# Altium PCB STM32-ROMI_Rev_A-Reworks.PcbDoc (part 1 of 2) (continued)
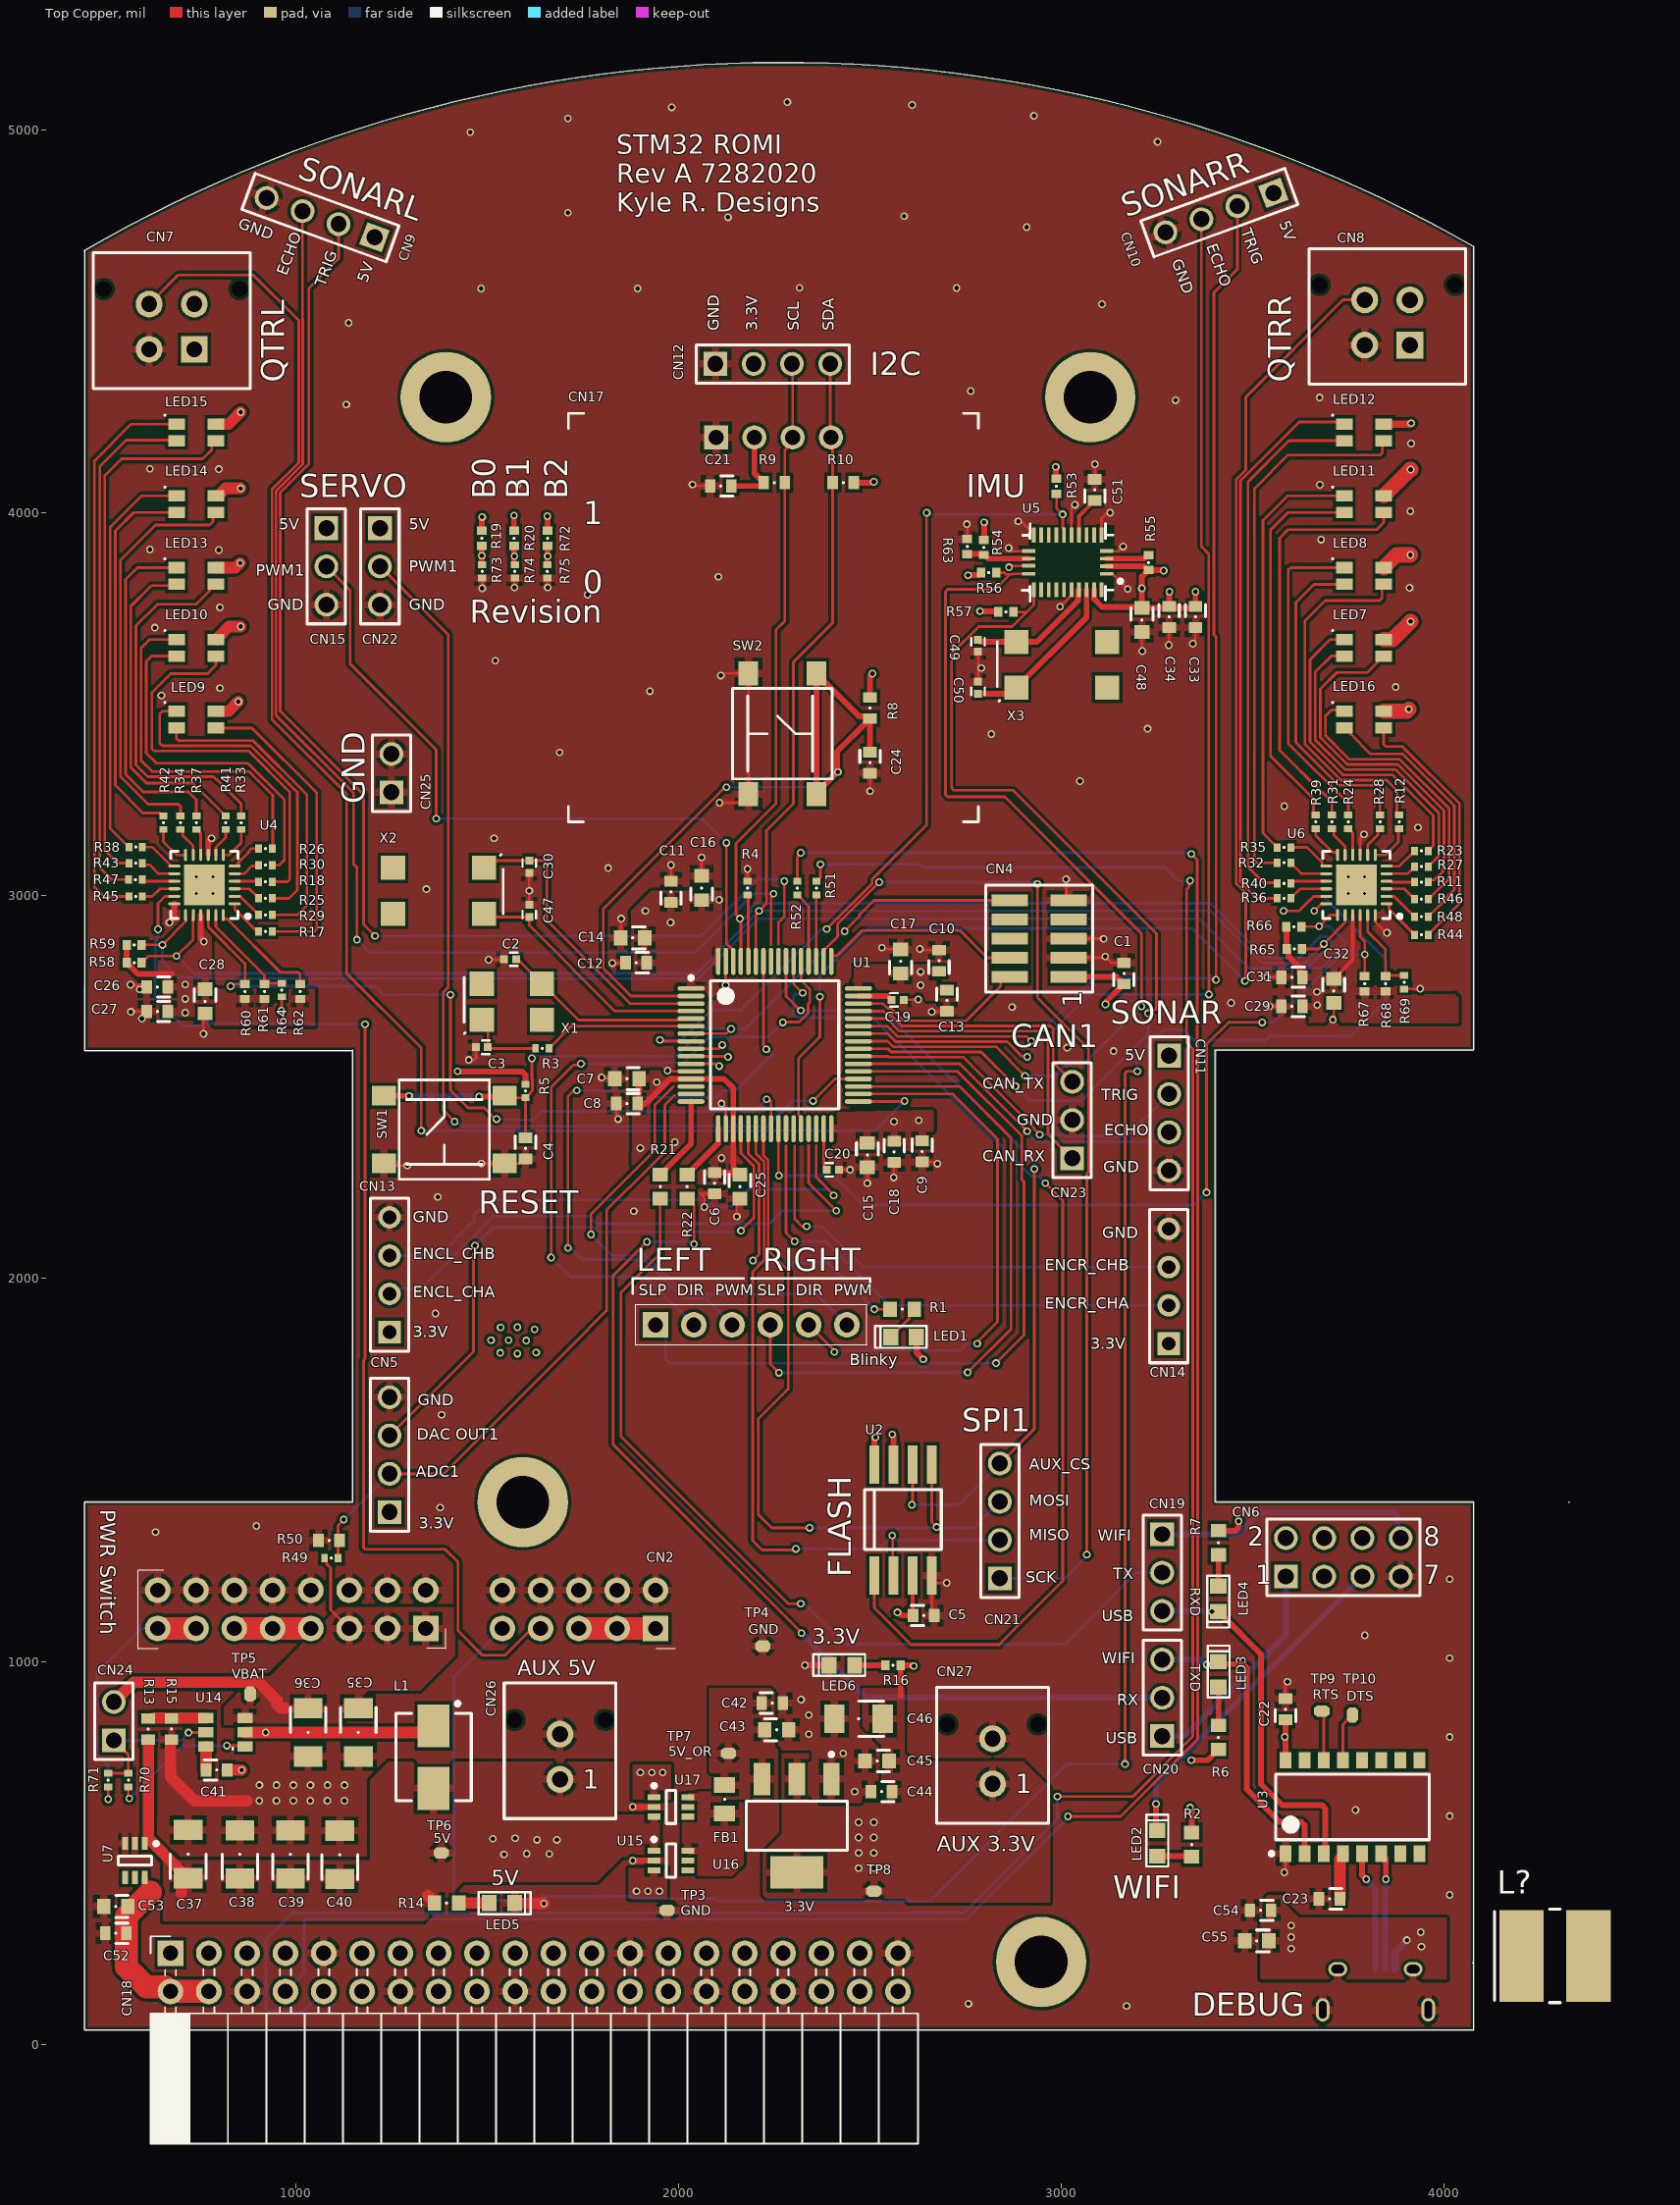
[diagram p0: Top Copper view]
## Footprints (in the part's own frame and the unit in brackets; to place one, negate y for a bottom-side part, rotate by r counter-clockwise, add the part's x,y. Pads: shape width x height; smd on the part's side, far side on the other; paste and mask are expansions set on the pad) (continued)
OSCABS [mm] "SM 5.0x3.2mm  Oscillator"
  rect 1.6x1.6 smd: 1(0,0) 2(6.032,0) 3(6.032,3.035) 4(0,3.035)
  silkscreen extent -1.27,-0.9 -1.1,3.05, body extent -0.95,-0.38 7.05,3.62, height 1.25
PinHeader_1x06_P2.54mm_Vertical [mm] "header for the romi board"
  rect 1.7x1.7 hole 1 paste-1.7 mask+0.051: 1(0,0)
  rrect100% 1.7x1.7 hole 1 paste-1.7 mask+0.051: 2(0,2.54) 3(0,5.08) 4(0,7.62) 5(0,10.16) 6(0,12.7)
  silkscreen extent -1.33,-1.33 1.33,14.03
"PinHeader_2x05_P2.54mm_Vertical - duplicate" [mm] "Romi-Header-5x2"
  rect 1.7x1.7 hole 1 paste-1.7 mask+0.051: 1(0,0)
  rrect100% 1.7x1.7 hole 1 paste-1.7 mask+0.051: 2(0,2.54) 3(-2.54,0) 4(-2.54,2.54) 5(-5.08,0) 6(-5.08,2.54) 7(-7.62,0) 8(-7.62,2.54) 9(-10.16,0) 10(-10.16,2.54)
  body extent -11.43,-1.27 1.27,3.81, height 8.38
PinHeader_2x08_P2.54mm_Vertical [mm]
  rect 1.7x1.7 hole 1 paste-1.7 mask+0.051: 1(0,0)
  rrect100% 1.7x1.7 hole 1 paste-1.7 mask+0.051: 2(-2.54,0) 3(0,2.54) 4(-2.54,2.54) 5(0,5.08) 6(-2.54,5.08) 7(0,7.62) 8(-2.54,7.62) 9(0,10.16) 10(-2.54,10.16) 11(0,12.7) 12(-2.54,12.7) 13(0,15.24) 14(-2.54,15.24) 15(0,17.78) 16(-2.54,17.78)
  silkscreen extent -3.87,-1.33 1.33,19.11
QFN50P400X400X100_HS-25N [mm] "QFN, 24-Leads, Body 4.00x4.00mm, Pitch 0.50mm, Thermal Pad 2.70x2.70mm, IPC Medium Density"
  oval 0.8x0.2 smd: 1(-2,1.25) 2(-2,0.75) 3(-2,0.25) 4(-2,-0.25) 5(-2,-0.75) 6(-2,-1.25) 13(2,-1.25) 14(2,-0.75) 15(2,-0.25) 16(2,0.25) 17(2,0.75) 18(2,1.25)
  oval 0.2x0.8 smd: 7(-1.25,-2) 8(-0.75,-2) 9(-0.25,-2) 10(0.25,-2) 11(0.75,-2) 12(1.25,-2) 19(1.25,2) 20(0.75,2) 21(0.25,2) 22(-0.25,2) 23(-0.75,2) 24(-1.25,2)
  rect 2.7x2.7 smd: 25(0,0)
  silkscreen extent -3,-2.22 2.22,2.23, body extent -2.08,-2.07 2.07,2.08, height 1
Raspberry_Pi_2_3 [mm] "Right Angle R Pi header"
  rect 1.7x1.7 hole 1 paste-1.7 mask+0.051: 1(0.019,0.005)
  rrect100% 1.7x1.7 hole 1 paste-1.7 mask+0.051: 2(0.019,-2.535) 3(2.559,0.005) 4(2.559,-2.535) 5(5.099,0.005) 6(5.099,-2.535) 7(7.639,0.005) 8(7.639,-2.535) 9(10.179,0.005) 10(10.179,-2.535) 11(12.719,0.005) 12(12.719,-2.535) 13(15.259,0.005) 14(15.259,-2.535) 15(17.799,0.005) 16(17.799,-2.535) 17(20.339,0.005) 18(20.339,-2.535) 19(22.879,0.005) 20(22.879,-2.535) 21(25.419,0.005) 22(25.419,-2.535) 23(27.959,0.005) 24(27.959,-2.535) 25(30.499,0.005) 26(30.499,-2.535) 27(33.039,0.005) 28(33.039,-2.535) 29(35.579,0.005) 30(35.579,-2.535) 31(38.119,0.005) 32(38.119,-2.535) 33(40.659,0.005) 34(40.659,-2.535) 35(43.199,0.005) 36(43.199,-2.535) 37(45.739,0.005) 38(45.739,-2.535) 39(48.279,0.005) 40(48.279,-2.535)
  silkscreen extent -1.31,-12.63 49.61,1.11
RESC0402(1005)_L [mm] "Chip Resistor, Body 1.0x0.5mm, IPC High Density"
  rect 0.45x0.55 smd: 1(-0.45,0) 2(0.45,0)
  silkscreen extent -0.05,-0.05 0.05,0.05, body extent -0.52,-0.27 0.53,0.28, height 0.4
RESC0402(1005)_N [mm] "Chip Resistor, Body 1.0x0.5mm, IPC Medium Density"
  rect 0.55x0.65 smd: 1(-0.5,0) 2(0.5,0)
  silkscreen extent -0.05,-0.05 0.05,0.05, body extent -0.52,-0.27 0.53,0.28, height 0.4
RESC0603(1608)_L [mm] "Chip Resistor, Body 1.6x0.8mm, IPC High Density"
  rect 0.7x0.9 smd: 1(-0.7,0) 2(0.7,0)
  silkscreen extent -0.05,-0.05 0.05,0.05, body extent -0.8,-0.43 0.8,0.43, height 0.51
RESC0603(1608)_N [mm] "Chip Resistor, Body 1.6x0.8mm, IPC Medium Density"
  rect 0.9x1 smd: 1(-0.8,0) 2(0.8,0)
  silkscreen extent -0.05,-0.05 0.05,0.05, body extent -0.8,-0.43 0.8,0.43, height 0.51
RESC0805(2012)_N [mm] "Chip Resistor, Body 2.0x1.3mm, IPC Medium Density"
  rect 1.05x1.4 smd: 1(-0.95,0) 2(0.95,0)
  silkscreen extent -0.05,-0.05 0.05,0.05, body extent -1.01,-0.63 0.99,0.63, height 0.46
SC-70-6 [mm] "SOT23, 6-Leads, Body 2.00x2.10mm, Pitch 0.65mm, IPC Medium Density"
  rect 0.85x0.4 smd: 1(-1.125,0.65) 2(-1.125,0) 3(-1.125,-0.65) 4(1.125,-0.65) 5(1.125,0) 6(1.125,0.65)
  silkscreen extent -1.25,-1.1 0.3,1.53, body extent -1.2,-1.07 1.2,1.07, height 1.1
SM-LED-0603 [mm] "0603 LED"
  rect 1x1.1 smd: 1(0,0) 2(-1.7,0)
  silkscreen extent -2.75,-0.71 0.69,0.74, body extent -1.65,-0.34 0,0.39, height 0.67
SMXOSC/5x3.2 [mm] "SM 5.0x3.2mm  Oscillator"
  rect 1.6x1.6 smd: 1(0,0) 2(4,0) 3(4,2.4) 4(0,2.4)
  silkscreen extent -1.17,-0.9 -1.1,2.82, body extent -0.54,-0.41 4.46,2.79, height 1.1
SOG.050/8D [mil]
  rect 25x100 smd: 1(0,0) 2(50,0) 3(100,0) 4(150,0) 5(150,290) 6(100,290) 7(50,290) 8(0,290)
  silkscreen extent -25,68 175,224, body extent -23,28 174,272, height 73
SOP-16 [mm] "TSOP, 16-Leads, Body 10.15x4.50mm, Pitch 1.27mm, IPC Medium Density"
  rect 1.1x0.76 smd: 1(-3.1,4.445) 2(-3.1,3.175) 3(-3.1,1.905) 4(-3.1,0.635) 5(-3.1,-0.635) 6(-3.1,-1.905) 7(-3.1,-3.175) 8(-3.1,-4.445) 9(3.1,-4.445) 10(3.1,-3.175) 11(3.1,-1.905) 12(3.1,-0.635) 13(3.1,0.635) 14(3.1,1.905) 15(3.1,3.175) 16(3.1,4.445)
  silkscreen extent -3.22,-5.1 2.18,5.5, body extent -3.21,-5.1 3.21,5.1, height 1.5
SOT23-6 [mil] "SOT-23-6; 6 Leads; Body 3.0 x 2.5 mm, inc. leads (LxW max)"
  rect 27x40 smd: 1(-0.88,-0.19) 2(36.12,-0.19) 3(74.12,-0.19) 4(74.12,101.81) 5(36.12,101.81) 6(-0.88,101.81)
  silkscreen extent -9,32 -4,32, body extent -19,4 91,100, height 43
STM-LQFP64_N [mm] "Thin QFP, 64-Leads, Body 10x10mm, Pitch 0.5mm, IPC Medium Density"
  oval 1.8x0.3 smd: 1(-5.55,3.75) 2(-5.55,3.25) 3(-5.55,2.75) 4(-5.55,2.25) 5(-5.55,1.75) 6(-5.55,1.25) 7(-5.55,0.75) 8(-5.55,0.25) 9(-5.55,-0.25) 10(-5.55,-0.75) 11(-5.55,-1.25) 12(-5.55,-1.75) 13(-5.55,-2.25) 14(-5.55,-2.75) 15(-5.55,-3.25) 16(-5.55,-3.75) 33(5.55,-3.75) 34(5.55,-3.25) 35(5.55,-2.75) 36(5.55,-2.25) 37(5.55,-1.75) 38(5.55,-1.25) 39(5.55,-0.75) 40(5.55,-0.25) 41(5.55,0.25) 42(5.55,0.75) 43(5.55,1.25) 44(5.55,1.75) 45(5.55,2.25) 46(5.55,2.75) 47(5.55,3.25) 48(5.55,3.75)
  oval 0.3x1.8 smd: 17(-3.75,-5.55) 18(-3.25,-5.55) 19(-2.75,-5.55) 20(-2.25,-5.55) 21(-1.75,-5.55) 22(-1.25,-5.55) 23(-0.75,-5.55) 24(-0.25,-5.55) 25(0.25,-5.55) 26(0.75,-5.55) 27(1.25,-5.55) 28(1.75,-5.55) 29(2.25,-5.55) 30(2.75,-5.55) 31(3.25,-5.55) 32(3.75,-5.55) 49(3.75,5.55) 50(3.25,5.55) 51(2.75,5.55) 52(2.25,5.55) 53(1.75,5.55) 54(1.25,5.55) 55(0.75,5.55) 56(0.25,5.55) 57(-0.25,5.55) 58(-0.75,5.55) 59(-1.25,5.55) 60(-1.75,5.55) 61(-2.25,5.55) 62(-2.75,5.55) 63(-3.25,5.55) 64(-3.75,5.55)
  silkscreen extent -5.67,-4.25 4.25,4.57, body extent -5,-5 5,5, height 1.6
"SW TACT Red 6mm x 6mm" [mm] "Switch, tactile, red button, SMD 6 mm x 6 mm"
  rect 1.6x1.3 smd: 1(-4,2.25) 2(4,2.25) 3(-4,-2.25) 4(4,-2.25)
  silkscreen extent -3,-3.3 3,3.3, body extent -4.5,-3.1 4.5,3.1, height 4.3
TestPoint-SM [mil] "Test Point - Top Pad Only"
  oct 30x40 smd paste-40: 1(0,0)
YSPI0530-3R3M [mm] "Precision Wire Wound Inductor, 2-Leads, Body 5.25x4.70mm, IPC Medium Density"
  rect 2.85x2.1 smd: 1(-2.075,0) 2(2.075,0)
  silkscreen extent -3.67,-2.5 2.9,2.5, body extent -2.73,-2.35 2.73,2.35, height 3.1

## Part data
C1 C4 C5 C8 C9 C10 C11 C12 C13 C21 C22 C23 C24 C27 C31 C34 C41 C42 C44 C51 C52 C54: library part "CAP CER 0.1UF 16V 10% X7R 0603", "0.1uF 0603 16V", Capacitance=0.1µF, Manufacturer=Kemet, Manufacturer Part Number=C0603C104K4RACTU, Operating Temperature="-55°C ~ 125°C", Package / Case=0603, Ratings=-, Supplier Part Number 1=399-1096-2-ND, Temperature Coefficient=X7R, Tolerance=±10%, Voltage - Rated=16V, Applications="General Purpose", Category=Capacitors, ComponentLink1Description=http://www.kemet.com/datasheets&C0603C104K4RACTU, ComponentLink1URL=http://www.kemet.com/datasheets&C0603C104K4RACTU, Features=-, Height - Seated (Max)=-, Lead Spacing=-, Lead Style=-, Mounting Type="Surface Mount, MLCC", Packaging="Tape & Reel (TR)", Pricing 1="4000=0.00414, 8000=0.00378, 12000=0.0036, 28000=0.00342, 100000=0.00248 (USD)", RoHS="RoHS Compliant", Size / Dimension="0.063\" L x 0.031\" W (1.60mm x 0.80mm)", Stock 1=2360000, Supplier 1=Digi-Key, Thickness (Max)="0.034\" (0.87mm)"
C2 C3 C30 C47 C49 C50: library part "CAP CER 20PF 50V 2% NP0 0402", Capacitance=20pF, Manufacturer="Murata Electronics North America", Manufacturer Part Number=GRM1555C1H200GA01D, Operating Temperature="-55°C ~ 125°C", Ratings=-, Supplier Part Number 1=490-6217-1-ND, Temperature Coefficient=C0G, Tolerance=±2%, Voltage - Rated=50V, Applications="General Purpose", Category=Capacitors, ComponentLink1Description=http://www.murata.com/~/media/webrenewal/support/library/catalog/products/capacitor/mlcc/c02e.ashx, ComponentLink1URL=http://www.murata.com/~/media/webrenewal/support/library/catalog/products/capacitor/mlcc/c02e.ashx, Creator=osman, Features=-, Height - Seated (Max)=-, Lead Spacing=-, Lead Style=-, Mounting Type="Surface Mount, MLCC", Packaging="Cut Tape (CT)", Pricing 1="1=0.11, 10=0.082, 50=0.0444, 100=0.0376, 250=0.03076, 500=0.02632, 1000=0.0201, 5000=0.01675 (USD)", RoHS="RoHS Compliant", Size / Dimension="0.039\" L x 0.020\" W (1.00mm x 0.50mm)", Stock 1=80973, Supplier 1=Digi-Key, Thickness (Max)="0.022\" (0.55mm)"
C6 C26 C29 C33: library part "CAP CER 0.01uF 50V 10% X7R 0603", "0.01uF 50V 0603", Capacitance=10000pF, Manufacturer=Kemet, Manufacturer Part Number=C0603C103K5RACTU, Operating Temperature="-55°C ~ 125°C", Package / Case=0603, Ratings=-, Supplier Part Number 1=399-1091-1-ND, Temperature Coefficient=X7R, Tolerance=±10%, Voltage - Rated=50V, Applications="General Purpose", Category=Capacitors, ClassName=MCU, ComponentLink1Description=http://www.kemet.com/docfinder?Partnumber=C0603C103K5RACTU, ComponentLink1URL=http://www.kemet.com/docfinder?Partnumber=C0603C103K5RACTU, Features=-, Height - Seated (Max)=-, Lead Spacing=-, Lead Style=-, Mounting Type="Surface Mount, MLCC", Packaging="Cut Tape (CT)", Pricing 1="1=0.1, 10=0.02, 25=0.014, 50=0.0106, 100=0.009, 250=0.00736, 1000=0.0048 (USD)", RoHS="RoHS Compliant", Size / Dimension="0.063\" L x 0.031\" W (1.60mm x 0.80mm)", Stock 1=1304139, Supplier 1=Digi-Key, Thickness (Max)="0.034\" (0.87mm)"
C7 C14 C15 C16 C17 C25 C28 C32 C43 C45 C48 C53 C55: library part "CAP CER 1UF 25V 10% X7R 0603", "1uF 0603 25V", Manufacturer="TDK Corporation", Manufacturer Part Number=CGA3E1X7R1E105K080AC, Operating Temperature="-55°C ~ 125°C", Package / Case=0603, Ratings=AEC-Q200, Supplier Part Number 1=445-6931-1-ND, Temperature Coefficient=X7R, Tolerance=±10%, Voltage - Rated=25V, Applications=Automotive, Category=Capacitors, ComponentLink1Description=https://product.tdk.com/info/en/catalog/datasheets/mlcc_automotive_general_en.pdf, ComponentLink1URL=https://product.tdk.com/info/en/catalog/datasheets/mlcc_automotive_general_en.pdf, Failure Rate=-, Features=-, Height - Seated (Max)=-, Lead Spacing=-, Lead Style=-, Mounting Type="Surface Mount, MLCC", Packaging="Cut Tape (CT)", Part Status=Active, Pricing 1="1=0.2, 10=0.135, 100=0.0686, 500=0.04696, 1000=0.04154 (USD)", RoHS="RoHS Compliant", Size / Dimension="0.063\" L x 0.032\" W (1.60mm x 0.80mm)", Stock 1=360610, Supplier 1=Digi-Key, Thickness (Max)="0.035\" (0.90mm)"
C18: library part "CAP CER 10UF 10V 20% X5R 0603", "10uF 0603 10V", Capacitance=10µF, Manufacturer="Taiyo Yuden", Manufacturer Part Number=LMK107BBJ106MAHT, Operating Temperature="-55°C ~ 85°C", Package / Case=0603, Ratings=AEC-Q200, Supplier Part Number 1=587-3412-1-ND, Temperature Coefficient=X5R, Tolerance=±20%, Voltage - Rated=10V, Applications=Automotive, Category=Capacitors, ComponentLink1Description=http://www.yuden.co.jp/productdata/catalog/en/mlcc_all_e.pdf, ComponentLink1URL=http://www.yuden.co.jp/productdata/catalog/en/mlcc_all_e.pdf, Features=-, Height - Seated (Max)=-, Lead Spacing=-, Lead Style=-, Mounting Type="Surface Mount, MLCC", Packaging="Cut Tape (CT)", Pricing 1="1=0.4, 10=0.348, 50=0.2116, 100=0.1742, 250=0.13936, 500=0.12692, 1000=0.11224 (USD)", RoHS="RoHS Compliant", Size / Dimension="0.063\" L x 0.031\" W (1.60mm x 0.80mm)", Stock 1=20252, Supplier 1=Digi-Key, Thickness (Max)="0.035\" (0.90mm)"
C19 C20: library part "CAP CER 2.2UF 35V 10% X5R 0402", "2.2uF 0402", Capacitance=2.2µF, Manufacturer="TDK Corporation", Manufacturer Part Number=C1005X5R1V225K050BC, Operating Temperature="-55°C ~ 85°C", Package / Case=0402, Ratings=-, Supplier Part Number 1=445-9028-1-ND, Temperature Coefficient=X5R, Tolerance=±10%, Voltage - Rated=35V, Applications="General Purpose", Category=Capacitors, ComponentLink1Description=http://product.tdk.com/en/catalog/datasheets/mlcc_commercial_general_en.pdf, ComponentLink1URL=http://product.tdk.com/en/catalog/datasheets/mlcc_commercial_general_en.pdf, Creator=osman, Features=-, Height - Seated (Max)=-, Lead Spacing=-, Lead Style=-, Mounting Type="Surface Mount, MLCC", Packaging="Cut Tape (CT)", Pricing 1="1=0.32, 10=0.28, 100=0.14, 250=0.112, 500=0.102, 1000=0.092, 5000=0.076 (USD)", RoHS="RoHS Compliant", Size / Dimension="0.039\" L x 0.020\" W (1.00mm x 0.50mm)", Stock 1=43689, Supplier 1=Digi-Key, Thickness (Max)="0.022\" (0.55mm)"
C35 C36 C37 C38 C39 C40 C46: library part "CAP CER 10UF 16V 1206", LCSC=C126600, Package=1206, Supplier Part Number 1=490-4793-1-ND, Temperature Coefficient=X7R, Voltage - Rated=16V, Capacitance=10uF, Supplier 1=Digi-Key
CN1: library part "Romi_Header 6", "Header, 6-Pin", Color=Black, Manufacturer="Sullins Connector Solutions", Manufacturer Part Number=PRPC006SAAN-RC, Supplier Part Number 1=S1011EC-06-ND, Category="Connectors, Interconnects", ComponentLink1Description=http://media.digikey.com/PDF/Data%20Sheets/Sullins%20PDFs/xRxCzzzSxxN-RC_ST_11635-B.pdf, ComponentLink1URL=http://media.digikey.com/PDF/Data%20Sheets/Sullins%20PDFs/xRxCzzzSxxN-RC_ST_11635-B.pdf, Connector Type="Header, Unshrouded, Breakaway", Contact Finish=Gold, Contact Finish Thickness=Flash, Contact Mating Length="0.230\" (5.84mm)", Contact Type="Male Pin", Fastening Type=-, Features=-, Mounting Type="Through Hole", Number of Positions=6, Number of Positions Loaded=All, Number of Rows=1, Packaging=Bulk, Pitch="0.100\" (2.54mm)", Pricing 1="1=0.23, 10=0.205, 100=0.1689, 500=0.13352, 1000=0.11461, 5000=0.10456, 10000=0.10054 (USD)", RoHS="RoHS Compliant", Row Spacing=-, Stock 1=1723, Supplier 1=Digi-Key, Termination=Solder
CN2: "Header, 5-Pin, Dual row", LatestRevisionDate=17-Jul-2002, LatestRevisionNote="Re-released for DXP Platform.", Publisher="Altium Limited"
CN3: "Header, 8-Pin, Dual row", LatestRevisionDate=17-Jul-2002, LatestRevisionNote="Re-released for DXP Platform.", Publisher="Altium Limited"
CN4: library part CONN-2x5-SWD, "SAMTEC - FTSH-105-01-L-DV - HEADER, 1.27MM, SMD, 10WAY", Color=Black, Manufacturer=Samtec, Manufacturer Part Number=FTSH-105-01-L-DV, Supplier Part Number 1=SAM1161-05-ND, Category="Connectors, Interconnects", ClassName=mcu, ComponentLink1Description=http://www.samtec.com/documents/webfiles/cpdf/FTSH-1XX-XX-XXX-DV-XXX-MKT.pdf, ComponentLink1URL=http://www.samtec.com/documents/webfiles/cpdf/FTSH-1XX-XX-XXX-DV-XXX-MKT.pdf, Connector Type="Header, Unshrouded", Contact Finish=Gold, Contact Finish Thickness="10µin (0.25µm)", Contact Mating Length="0.120\" (3.05mm)", Contact Type="Male Pin", Fastening Type=-, Features=-, Mounting Type="Surface Mount", MPN=FTSH-105-01-L-DV, Number of Positions=10, Number of Positions Loaded=All, Number of Rows=2, Packaging=Bulk, Pitch="0.050\" (1.27mm)", PN=SAM1161-05-ND, Pricing 1="1=3.42, 10=2.963, 100=2.5073, 500=1.99444, 1000=1.62404, 5000=1.48158, 10000=1.4246 (USD)", RoHS="RoHS Compliant", Row Spacing="0.050\" (1.27mm)", Stock 1=0, Supplier 1=Digi-Key, Termination=Solder, Vendor=Digikey
CN5 CN9 CN10 CN11 CN12 CN13 CN14 CN21: "Header, 4-Pin", Color=Black, Manufacturer="Sullins Connector Solutions", Manufacturer Part Number=PRPC004SAAN-RC, Supplier Part Number 1=S1011EC-04-ND, Category="Connectors, Interconnects", ComponentLink1Description=http://media.digikey.com/PDF/Data%20Sheets/Sullins%20PDFs/xRxCzzzSxxN-RC_ST_11635-B.pdf, ComponentLink1URL=http://media.digikey.com/PDF/Data%20Sheets/Sullins%20PDFs/xRxCzzzSxxN-RC_ST_11635-B.pdf, Connector Type="Header, Unshrouded, Breakaway", Contact Finish=Gold, Contact Finish Thickness=Flash, Contact Mating Length="0.230\" (5.84mm)", Contact Type="Male Pin", Fastening Type=-, Features=-, Mounting Type="Through Hole", Number of Positions=4, Number of Positions Loaded=All, Number of Rows=1, Packaging=Bulk, Pitch="0.100\" (2.54mm)", Pricing 1="1=0.2, 10=0.175, 100=0.1443, 500=0.1141, 1000=0.09794, 5000=0.08935, 10000=0.08591 (USD)", RoHS="RoHS Compliant", Row Spacing=-, Stock 1=0, Supplier 1=Digi-Key, Termination=Solder
CN6: "Header, 4-Pin, Dual row", LatestRevisionDate=17-Jul-2002, LatestRevisionNote="Re-released for DXP Platform.", Publisher="Altium Limited"
CN7 CN8: library part "MICROFIT 3.0 HDR VERT 4CKT", "Molex Microfit 2x2 Vert Header", Color=Black, Manufacturer="Molex Inc", Manufacturer Part Number=0430450427, Supplier Part Number 1=WM10667-ND, Category="Connectors, Interconnects", ComponentLink1Description=http://www.molex.com/pdm_docs/sd/430450427_sd.pdf, ComponentLink1URL=http://www.molex.com/pdm_docs/sd/430450427_sd.pdf, Connector Type="Header, Shrouded", Contact Finish=Tin, Contact Finish Thickness="100µin (2.54µm)", Contact Mating Length=-, Contact Type="Male Pin", Fastening Type="Locking Ramp", Features="Board Guide", Mounting Type="Through Hole", Number of Positions=4, Number of Positions Loaded=All, Number of Rows=2, Packaging=Tray, Pitch="0.118\" (3.00mm)", Pricing 1="1=1.28, 10=1.123, 50=1.0126, 100=0.9687, 250=0.8806, 500=0.79254, 1000=0.70448, 2500=0.63844, 5000=0.61642 (USD)", RoHS="RoHS Compliant", Row Spacing="0.118\" (3.00mm)", Stock 1=1962, Supplier 1=Digi-Key, Termination=Solder
CN15 CN22: "Header, 3-Pin", Color=Black, Manufacturer="Sullins Connector Solutions", Manufacturer Part Number=PRPC003SAAN-RC, Supplier Part Number 1=S1011EC-03-ND, Category="Connectors, Interconnects", ComponentLink1Description=http://media.digikey.com/PDF/Data%20Sheets/Sullins%20PDFs/xRxCzzzSxxN-RC_ST_11635-B.pdf, ComponentLink1URL=http://media.digikey.com/PDF/Data%20Sheets/Sullins%20PDFs/xRxCzzzSxxN-RC_ST_11635-B.pdf, Connector Type="Header, Unshrouded, Breakaway", Contact Finish=Gold, Contact Finish Thickness=Flash, Contact Mating Length="0.230\" (5.84mm)", Contact Type="Male Pin", Fastening Type=-, Features=-, Mounting Type="Through Hole", Number of Positions=3, Number of Positions Loaded=All, Number of Rows=1, Packaging=Bulk, Pitch="0.100\" (2.54mm)", Pricing 1="1=0.18, 10=0.16, 100=0.132, 500=0.10438, 1000=0.0896, 5000=0.08174, 10000=0.0786 (USD)", RoHS="RoHS Compliant", Row Spacing=-, Stock 1=0, Supplier 1=Digi-Key, Termination=Solder
CN16: library part 10118194-0001LF, "Amphenol FCI CONN USB MICRO B RECPT SMT R/A", Current Rating="1.8A per Contact", Insulation Color=Black, Manufacturer="Amphenol FCI", Material Flammability Rating="UL94 V-0", Operating Temperature="-30°C ~ 80°C", Supplier Part Number 1=609-4618-1-ND, Voltage - Rated=100VAC, Category="Connectors, Interconnects", ComponentLink1Description=http://portal.fciconnect.com/Comergent//fci/drawing/10118194.pdf, ComponentLink1URL=http://portal.fciconnect.com/Comergent//fci/drawing/10118194.pdf, Connector Type="USB - micro B", Contact Finish=Gold, Features="Solder Retention", Gender=Receptacle, Ingress Protection=-, Manufacturer Part Number=10118194-0001LF, Mating Cycles=10000, Mounting Feature=Horizontal, Mounting Type="Surface Mount, Right Angle; Through Hole", Number of Contacts=5, Number of Ports=1, Packaging="Cut Tape (CT)", Part Status=Active, Pricing 1="1=0.46, 10=0.437, 25=0.3744, 50=0.318, 100=0.3056, 250=0.27444, 500=0.26196 (USD)", RoHS="RoHS Compliant", Shell/Shielding Material="Steel, Stainless", Shielding=Shielded, Specifications="USB 2.0", Stock 1=220681, Supplier 1=Digi-Key, Termination=Solder
CN17: library part OLED_0.96_I2C, "SSD1306 I2C OLED 0.96\""
CN18: library part "J/Header 20X2", "Header, 20-Pin, Dual row", Color=Black, Manufacturer="Harwin Inc", Manufacturer Part Number=M20-9762046, Supplier Part Number 1=952-1896-ND, Category="Connectors, Interconnects", ComponentLink1Description=http://www.harwin.com/include/downloads/drawings/M20-976.PDF, ComponentLink1URL=http://www.harwin.com/include/downloads/drawings/M20-976.PDF, Connector Type="Header, Unshrouded, Breakaway", Contact Finish=Tin, Contact Finish Thickness=-, Contact Mating Length="0.228\" (5.80mm)", Contact Type="Male Pin", Fastening Type=-, Features=-, Mounting Type="Through Hole", Number of Positions=40, Number of Positions Loaded=All, Number of Rows=2, Packaging=Bulk, Pitch="0.100\" (2.54mm)", Pricing 1="1=1.08, 10=0.946, 25=0.8904, 50=0.8534, 100=0.8162, 250=0.742, 500=0.6678, 1000=0.5936, 2500=0.53795 (USD)", RoHS="RoHS Compliant", Row Spacing="0.100\" (2.54mm)", Stock 1=1666, Supplier 1=Digi-Key, Termination=Solder
CN19 CN20 CN23: library part "Header 3", "Header, 3-Pin", Color=Black, Manufacturer="Sullins Connector Solutions", Manufacturer Part Number=PRPC003SAAN-RC, Supplier Part Number 1=S1011EC-03-ND, Category="Connectors, Interconnects", ComponentLink1Description=http://media.digikey.com/PDF/Data%20Sheets/Sullins%20PDFs/xRxCzzzSxxN-RC_ST_11635-B.pdf, ComponentLink1URL=http://media.digikey.com/PDF/Data%20Sheets/Sullins%20PDFs/xRxCzzzSxxN-RC_ST_11635-B.pdf, Connector Type="Header, Unshrouded, Breakaway", Contact Finish=Gold, Contact Finish Thickness=Flash, Contact Mating Length="0.230\" (5.84mm)", Contact Type="Male Pin", Fastening Type=-, Features=-, Mounting Type="Through Hole", Number of Positions=3, Number of Positions Loaded=All, Number of Rows=1, Packaging=Bulk, Pitch="0.100\" (2.54mm)", Pricing 1="1=0.18, 10=0.16, 100=0.132, 500=0.10438, 1000=0.0896, 5000=0.08174, 10000=0.0786 (USD)", RoHS="RoHS Compliant", Row Spacing=-, Stock 1=0, Supplier 1=Digi-Key, Termination=Solder
CN24 CN25: library part "Header 2", "Header, 2-Pin", Color=Black, Manufacturer="Sullins Connector Solutions", Manufacturer Part Number=PRPC002SAAN-RC, Supplier Part Number 1=S1011EC-02-ND, Category="Connectors, Interconnects", ComponentLink1Description=http://media.digikey.com/PDF/Data%20Sheets/Sullins%20PDFs/xRxCzzzSxxN-RC_ST_11635-B.pdf, ComponentLink1URL=http://media.digikey.com/PDF/Data%20Sheets/Sullins%20PDFs/xRxCzzzSxxN-RC_ST_11635-B.pdf, Connector Type="Header, Unshrouded, Breakaway", Contact Finish=Gold, Contact Finish Thickness=Flash, Contact Mating Length="0.230\" (5.84mm)", Contact Type="Male Pin", Fastening Type=-, Features=-, Mounting Type="Through Hole", Number of Positions=2, Number of Positions Loaded=All, Number of Rows=1, Packaging=Bulk, Pitch="0.100\" (2.54mm)", Pricing 1="1=0.16, 10=0.145, 100=0.1198, 500=0.09466, 1000=0.08127, 5000=0.07414, 10000=0.07129 (USD)", RoHS="RoHS Compliant", Row Spacing=-, Stock 1=4300, Supplier 1=Digi-Key, Termination=Solder
CN26 CN27: library part "MICROFIT 3.0 HDR VERT CPI 2CKT", "Molex Microfit 1x2 Vert Header", Color=Black, Manufacturer="Molex, LLC", Manufacturer Part Number=0430450227, Supplier Part Number 1=WM10657-ND, Category="Connectors, Interconnects", ComponentLink1Description=http://www.molex.com/pdm_docs/sd/430450227_sd.pdf, ComponentLink1URL=http://www.molex.com/pdm_docs/sd/430450227_sd.pdf, Connector Type=Header, Contact Finish=Tin, Contact Finish Thickness="60µin (1.52µm)", Contact Mating Length=-, Contact Type="Male Pin", Fastening Type="Locking Ramp", Features="Board Guide", Mounting Type="Through Hole", Number of Positions=2, Number of Positions Loaded=All, Number of Rows=2, Packaging=Tray, Part Status=Active, Pitch=-, Pricing 1="1=0.8, 10=0.705, 50=0.636, 100=0.6083, 250=0.553, 500=0.4977, 1000=0.4424, 2500=0.40092, 5000=0.3871 (USD)", RoHS="RoHS Compliant", Row Spacing="0.118\" (3.00mm)", Shrouding="Shrouded - 4 Wall", Stock 1=4002, Supplier 1=Digi-Key, Termination=Solder
FB1: library part "FERRITE 600 OHM 2.0A 0805", "600 OHM 0805 2.0A", Current Rating=2A, DC Resistance (DCR)="150 mOhm Max", Manufacturer="Wurth Electronics Inc", Manufacturer Part Number=742792040, Package / Case="0805 (2012 Metric)", Supplier Part Number 1=732-1620-1-ND, Category=Filters, ComponentLink1Description=http://katalog.we-online.de/pbs/datasheet/742792040.pdf, ComponentLink1URL=http://katalog.we-online.de/pbs/datasheet/742792040.pdf, Creator=osman, Filter Type="Differential Mode - Single", Height (Max)="0.043\" (1.10mm)", Impedance @ Frequency="600 Ohm @ 100MHz", Mounting Type="Surface Mount", Packaging="Cut Tape (CT)", Pricing 1="1=0.24, 50=0.2344, 100=0.2156, 500=0.20624, 1000=0.19687, 2000=0.1875 (USD)", RoHS="RoHS Compliant", Size / Dimension="0.079\" L x 0.047\" W (2.00mm x 1.20mm)", Stock 1=34670, Supplier 1=Digi-Key